# KiCad board pi60_RGB_v2.0_usb.kicad_pcb
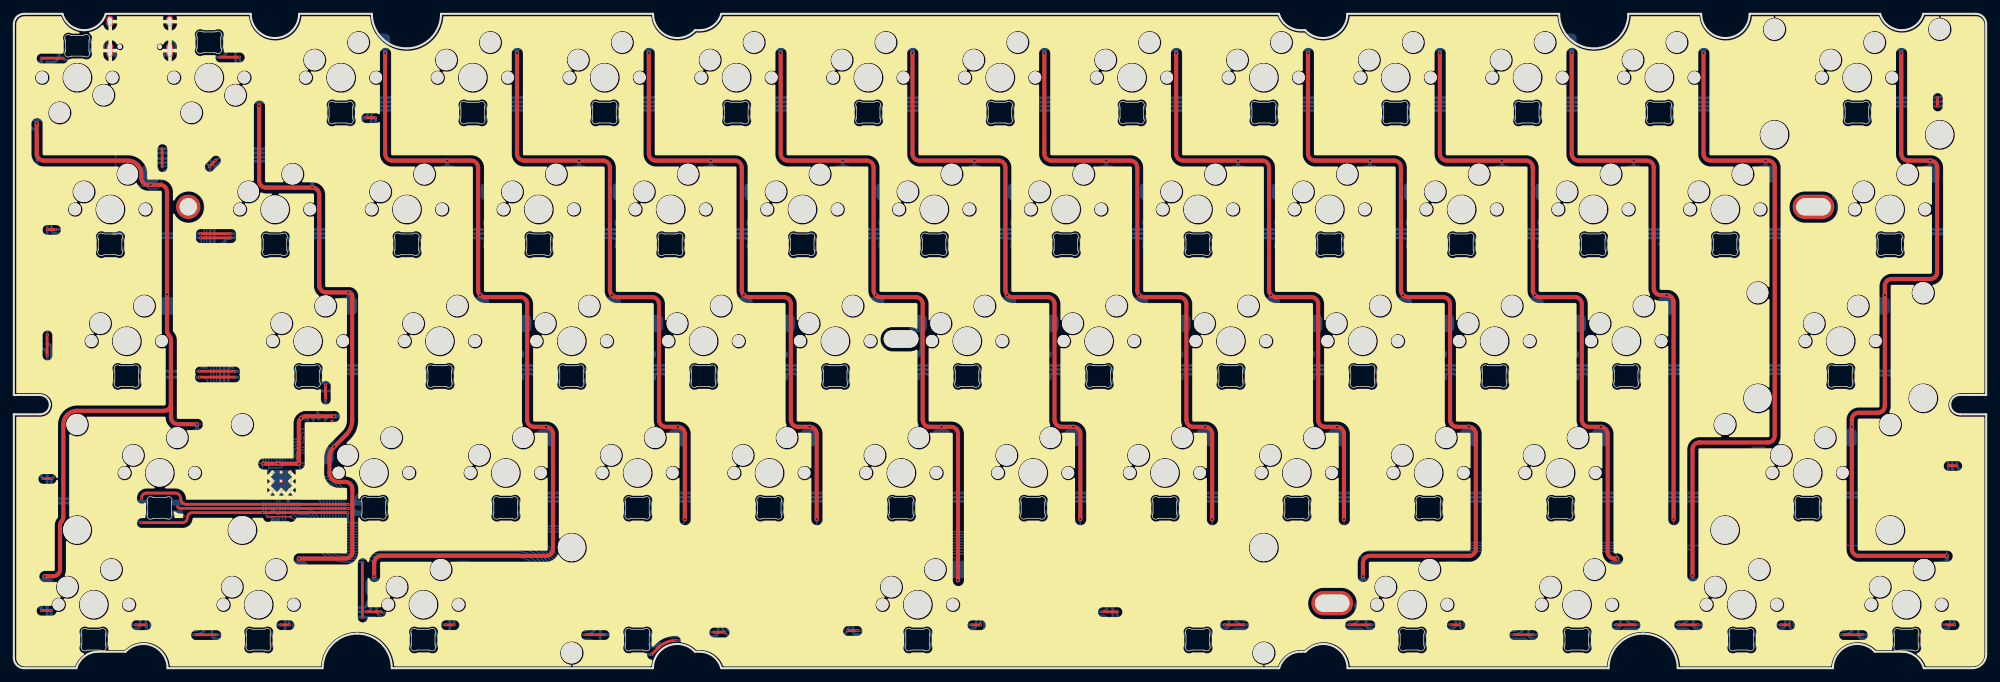
[diagram p0: board, top side]
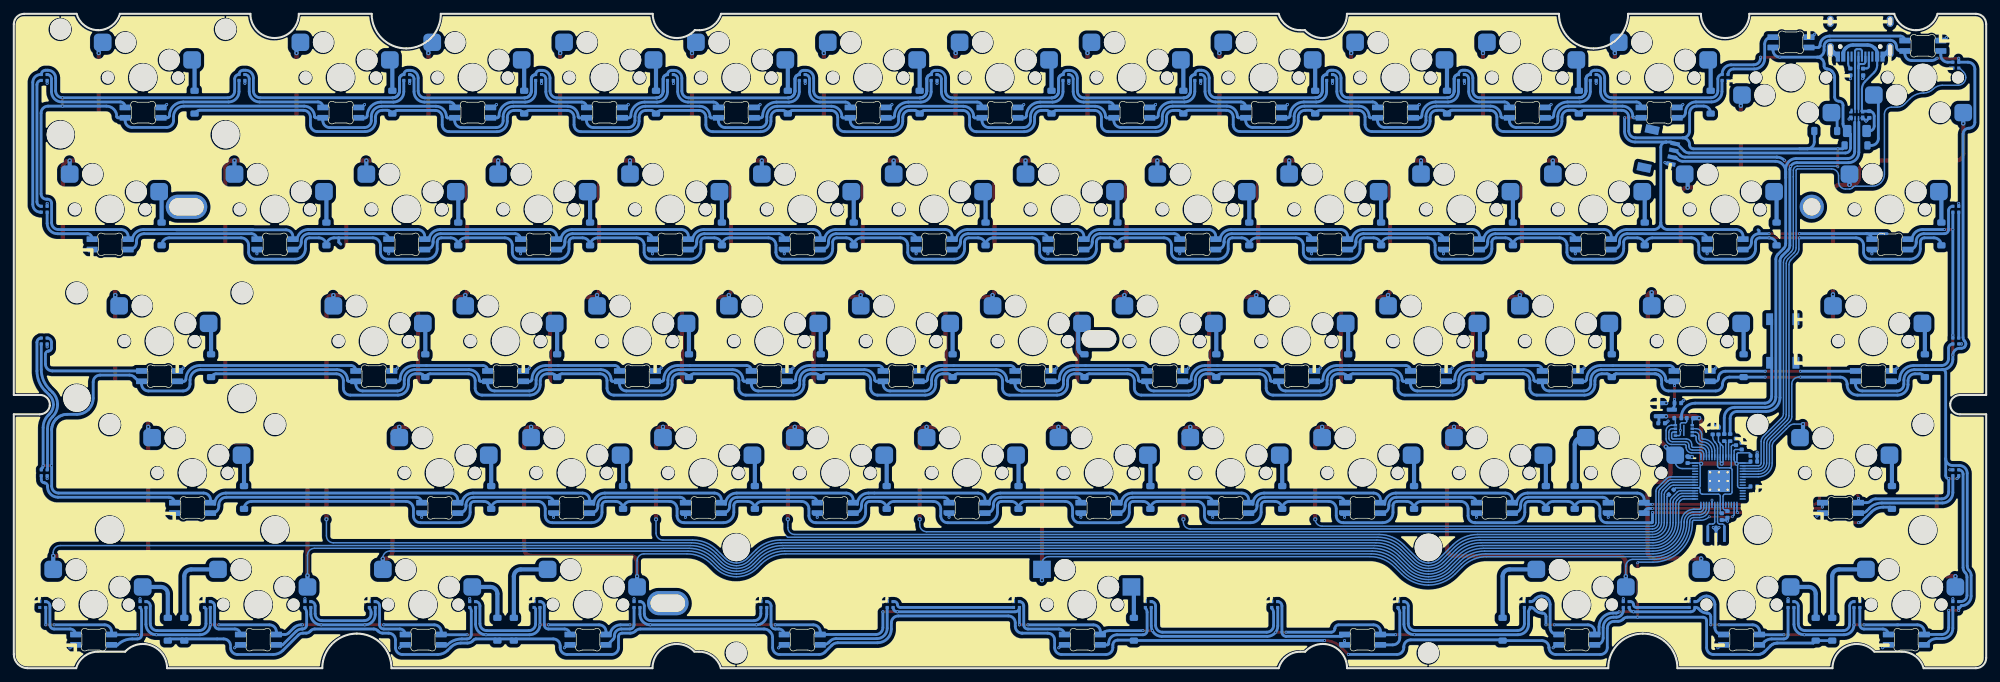
[diagram p1: board, bottom side, seen from below]

Outline 285 x 94.6 mm; copper layers: Top, Bottom. Coordinates in mm from the lower left corner of the outline.
Stack: Top 0.035mm / dielectric 1.51mm FR4 er 4.5 / Bottom 0.035mm

## Placement (name value [footprint] x y rotation side)
C1  100n  [cap_0402_production]  39.52 34.27 90 bottom
C2  100n  [cap_0402_production]  37.39 22.22 270 bottom
C3  100n  [cap_0402_production]  38.69 34.27 90 bottom
C4  100n  [cap_0402_production]  43.14 30.13 90 bottom
C5  100n  [cap_0402_production]  33.58 26.27 180 bottom
C6  100n  [cap_0402_production]  45.51 25.45 315 bottom
C7  100n  [cap_0402_production]  38.21 21.9 270 bottom
C8  100n  [cap_0402_production]  33.58 30.71 180 bottom
C9  100n  [cap_0402_production]  33.58 29.87 180 bottom
C10  1u  [cap_0402_production]  36.16 32.71 90 bottom
C11  1u  [cap_0402_production]  35.33 32.09 90 bottom
C12  100n  [cap_0402_production]  42.8 36.14 0 bottom
C13  10u  [cap_0402_production]  44.56 38.32 180 bottom
C14  10u  [cap_0402_production]  46.91 35.41 180 bottom
C15  1u  [cap_0402_production]  16.89 80.04 270 bottom
D1  D  [diode_SOD-123_production]  18.8 75.58 180 bottom
D2  D  [diode_SOD-123_production]  23.19 77.66 180 bottom
D3  D  [diode_SOD-123_production]  39.81 81.83 90 bottom
D4  D  [diode_SOD-123_production]  58.86 81.83 90 bottom
D5  D  [diode_SOD-123_production]  77.91 81.83 90 bottom
D6  D  [diode_SOD-123_production]  96.96 81.83 90 bottom
D7  D  [diode_SOD-123_production]  116.01 81.83 90 bottom
D8  D  [diode_SOD-123_production]  135.06 81.83 90 bottom
D9  D  [diode_SOD-123_production]  154.11 81.83 90 bottom
D10  D  [diode_SOD-123_production]  173.16 81.83 90 bottom
D11  D  [diode_SOD-123_production]  192.21 81.83 90 bottom
D12  D  [diode_SOD-123_production]  211.26 81.83 90 bottom
D13  D  [diode_SOD-123_production]  230.31 81.83 90 bottom
D14  D  [diode_SOD-123_production]  258.88 81.83 90 bottom
D15  D  [diode_SOD-123_production]  6.47 62.78 90 bottom
D16  D  [diode_SOD-123_production]  30.28 62.78 90 bottom
D17  D  [diode_SOD-123_production]  49.33 62.78 90 bottom
D18  D  [diode_SOD-123_production]  68.38 62.78 90 bottom
D19  D  [diode_SOD-123_production]  87.43 62.78 90 bottom
D20  D  [diode_SOD-123_production]  106.48 62.78 90 bottom
D21  D  [diode_SOD-123_production]  125.53 62.78 90 bottom
D22  D  [diode_SOD-123_production]  144.58 62.78 90 bottom
D23  D  [diode_SOD-123_production]  163.63 62.78 90 bottom
D24  D  [diode_SOD-123_production]  182.68 62.78 90 bottom
D25  D  [diode_SOD-123_production]  201.73 62.78 90 bottom
D26  D  [diode_SOD-123_production]  220.78 62.78 90 bottom
D27  D  [diode_SOD-123_production]  239.83 62.78 90 bottom
D28  D  [diode_SOD-123_production]  263.65 62.78 90 bottom
D29  D  [diode_SOD-123_production]  8.85 43.73 90 bottom
D30  D  [diode_SOD-123_production]  35.05 43.73 90 bottom
D31  D  [diode_SOD-123_production]  54.1 43.73 90 bottom
D32  D  [diode_SOD-123_production]  73.15 43.73 90 bottom
D33  D  [diode_SOD-123_production]  92.2 43.73 90 bottom
D34  D  [diode_SOD-123_production]  111.25 43.73 90 bottom
D35  D  [diode_SOD-123_production]  130.3 43.73 90 bottom
D36  D  [diode_SOD-123_production]  149.35 43.73 90 bottom
D37  D  [diode_SOD-123_production]  168.4 43.73 90 bottom
D38  D  [diode_SOD-123_production]  187.45 43.73 90 bottom
D39  D  [diode_SOD-123_production]  206.5 43.73 90 bottom
D40  D  [diode_SOD-123_production]  225.55 43.73 90 bottom
D41  D  [diode_SOD-123_production]  256.5 43.73 90 bottom
D42  D  [diode_SOD-123_production]  13.61 24.68 90 bottom
D43  D  [diode_SOD-123_production]  59.45 24.68 90 bottom
D44  D  [diode_SOD-123_production]  63.62 24.68 90 bottom
D45  D  [diode_SOD-123_production]  82.67 24.68 90 bottom
D46  D  [diode_SOD-123_production]  101.72 24.68 90 bottom
D47  D  [diode_SOD-123_production]  120.77 24.68 90 bottom
D48  D  [diode_SOD-123_production]  139.82 24.68 90 bottom
D49  D  [diode_SOD-123_production]  158.87 24.68 90 bottom
D50  D  [diode_SOD-123_production]  177.92 24.68 90 bottom
D51  D  [diode_SOD-123_production]  196.97 24.68 90 bottom
D52  D  [diode_SOD-123_production]  216.02 24.68 90 bottom
D53  D  [diode_SOD-123_production]  251.74 24.68 90 bottom
D54  D  [diode_SOD-123_production]  22.25 5.63 90 bottom
D55  D  [diode_SOD-123_production]  24.63 5.63 90 bottom
D56  D  [diode_SOD-123_production]  69.87 5.63 90 bottom
D57  D  [diode_SOD-123_production]  123.15 5.63 90 bottom
D58  D  [diode_SOD-123_production]  212.75 5.63 90 bottom
D59  D  [diode_SOD-123_production]  215.13 5.63 90 bottom
D60  D  [diode_SOD-123_production]  260.37 5.63 90 bottom
D61  D  [diode_SOD-123_production]  262.75 5.63 90 bottom
D62  SK6812MINI-E  [SK6812MINI-E LR_production]  9.15 84.9 180 top
D63  SK6812MINI-E  [SK6812MINI-E LR_production]  28.2 85.4 180 top
D64  SK6812MINI-E  [SK6812MINI-E RL_production]  47.25 85.4 0 top
D65  SK6812MINI-E  [SK6812MINI-E RL_production]  66.3 85.4 0 top
D66  SK6812MINI-E  [SK6812MINI-E RL_production]  85.35 85.4 0 top
D67  SK6812MINI-E  [SK6812MINI-E RL_production]  104.4 85.4 0 top
D68  SK6812MINI-E  [SK6812MINI-E RL_production]  123.45 85.4 0 top
D69  SK6812MINI-E  [SK6812MINI-E RL_production]  142.5 85.4 0 top
D70  SK6812MINI-E  [SK6812MINI-E RL_production]  161.55 85.4 0 top
D71  SK6812MINI-E  [SK6812MINI-E RL_production]  180.6 85.4 0 top
D72  SK6812MINI-E  [SK6812MINI-E RL_production]  199.65 85.4 0 top
D73  SK6812MINI-E  [SK6812MINI-E RL_production]  218.7 85.4 0 top
D74  SK6812MINI-E  [SK6812MINI-E RL_production]  237.75 85.4 0 top
D75  SK6812MINI-E  [SK6812MINI-E RL_production]  266.32 85.4 0 top
D76  SK6812MINI-E  [SK6812MINI-E LR_production]  13.91 66.35 0 top
D77  SK6812MINI-E  [SK6812MINI-E LR_production]  37.73 66.35 0 top
D78  SK6812MINI-E  [SK6812MINI-E LR_production]  56.77 66.35 0 top
D79  SK6812MINI-E  [SK6812MINI-E LR_production]  75.82 66.35 0 top
D80  SK6812MINI-E  [SK6812MINI-E LR_production]  94.87 66.35 0 top
D81  SK6812MINI-E  [SK6812MINI-E LR_production]  113.92 66.35 0 top
D82  SK6812MINI-E  [SK6812MINI-E LR_production]  132.97 66.35 0 top
D83  SK6812MINI-E  [SK6812MINI-E LR_production]  152.02 66.35 0 top
D84  SK6812MINI-E  [SK6812MINI-E LR_production]  171.07 66.35 0 top
D85  SK6812MINI-E  [SK6812MINI-E LR_production]  190.12 66.35 0 top
D86  SK6812MINI-E  [SK6812MINI-E LR_production]  209.17 66.35 0 top
D87  SK6812MINI-E  [SK6812MINI-E LR_production]  228.22 66.35 0 top
D88  SK6812MINI-E  [SK6812MINI-E LR_production]  247.27 66.35 0 top
D89  SK6812MINI-E  [SK6812MINI-E LR_production]  271.09 66.35 0 top
D90  SK6812MINI-E  [SK6812MINI-E RL_production]  16.29 47.3 0 top
D91  SK6812MINI-E  [SK6812MINI-E RL_production]  42.49 47.3 0 top
D92  SK6812MINI-E  [SK6812MINI-E RL_production]  61.54 47.3 0 top
D93  SK6812MINI-E  [SK6812MINI-E RL_production]  80.59 47.3 0 top
D94  SK6812MINI-E  [SK6812MINI-E RL_production]  99.64 47.3 0 top
D95  SK6812MINI-E  [SK6812MINI-E RL_production]  118.69 47.3 0 top
D96  SK6812MINI-E  [SK6812MINI-E RL_production]  137.74 47.3 0 top
D97  SK6812MINI-E  [SK6812MINI-E RL_production]  156.79 47.3 0 top
D98  SK6812MINI-E  [SK6812MINI-E RL_production]  175.84 47.3 0 top
D99  SK6812MINI-E  [SK6812MINI-E RL_production]  194.89 47.3 0 top
D100  SK6812MINI-E  [SK6812MINI-E RL_production]  213.94 47.3 0 top
D101  SK6812MINI-E  [SK6812MINI-E RL_production]  232.99 47.3 0 top
D102  SK6812MINI-E  [SK6812MINI-E RL_production]  263.94 47.3 0 top
D103  SK6812MINI-E  [SK6812MINI-E LR_production]  21.06 28.25 0 top
D104  SK6812MINI-E  [SK6812MINI-E LR_production]  52.01 28.25 0 top
D105  SK6812MINI-E  [SK6812MINI-E LR_production]  71.06 28.25 0 top
D106  SK6812MINI-E  [SK6812MINI-E LR_production]  90.11 28.25 0 top
D107  SK6812MINI-E  [SK6812MINI-E LR_production]  109.16 28.25 0 top
D108  SK6812MINI-E  [SK6812MINI-E LR_production]  128.21 28.25 0 top
D109  SK6812MINI-E  [SK6812MINI-E LR_production]  147.26 28.25 0 top
D110  SK6812MINI-E  [SK6812MINI-E LR_production]  166.31 28.25 0 top
D111  SK6812MINI-E  [SK6812MINI-E LR_production]  185.36 28.25 0 top
D112  SK6812MINI-E  [SK6812MINI-E LR_production]  204.41 28.25 0 top
D113  SK6812MINI-E  [SK6812MINI-E LR_production]  223.46 28.25 0 top
D114  SK6812MINI-E  [SK6812MINI-E LR_production]  259.18 28.25 0 top
D115  1010  [WS2812b_1010]  102.81 9.2 90 top
D116  SK6812MINI-E  [SK6812MINI-E LR_production]  130.59 9.2 0 top
D117  1010  [WS2812b_1010]  158.37 9.2 90 top
D118  SK6812MINI-E  [SK6812MINI-E LR_production]  171.07 9.2 0 top
D119  1010  [WS2812b_1010]  194.96 9.2 90 top
D120  SK6812MINI-E  [SK6812MINI-E LR_production]  11.53 9.2 0 top
D121  SK6812MINI-E  [SK6812MINI-E LR_production]  35.34 9.2 0 top
D122  SK6812MINI-E  [SK6812MINI-E LR_production]  59.16 9.2 0 top
D123  1010  [WS2812b_1010]  37.73 85.4 270 top
D125  1010  [WS2812b_1010]  56.78 85.4 270 top
D126  1010  [WS2812b_1010]  75.83 85.4 270 top
D127  1010  [WS2812b_1010]  94.88 85.4 270 top
D128  1010  [WS2812b_1010]  113.93 85.4 270 top
D129  1010  [WS2812b_1010]  132.98 85.4 270 top
D130  1010  [WS2812b_1010]  152.02 85.4 270 top
D131  1010  [WS2812b_1010]  171.07 85.4 270 top
D132  1010  [WS2812b_1010]  190.12 85.4 270 top
D133  1010  [WS2812b_1010]  209.17 85.4 270 top
D134  1010  [WS2812b_1010]  228.22 85.4 270 top
D135  1010  [WS2812b_1010]  252.04 85.4 270 top
D136  1010  [WS2812b_1010]  280.61 85.4 270 top
D137  1010  [WS2812b_1010]  280.61 66.35 180 top
D138  1010  [WS2812b_1010]  280.61 47.3 270 top
D139  1010  [WS2812b_1010]  280.61 28.25 270 top
D140  1010  [WS2812b_1010]  4.39 87.19 0 top
D141  1010  [WS2812b_1010]  4.39 66.35 180 top
D142  1010  [WS2812b_1010]  4.39 47.3 270 top
D143  1010  [WS2812b_1010]  4.39 28.25 90 top
D144  1010  [WS2812b_1010]  4.39 9.2 90 top
D145  1010  [WS2812b_1010]  18.68 9.2 180 top
D146  1010  [WS2812b_1010]  42.49 9.2 90 top
D147  1010  [WS2812b_1010]  66.3 9.2 90 top
D148  SK6812MINI-E  [SK6812MINI-E LR_production]  90.11 9.2 0 top
D149  SK6812MINI-E  [SK6812MINI-E LR_production]  202.03 9.2 0 top
D150  1010  [WS2812b_1010]  209.4 9.2 90 top
D151  SK6812MINI-E  [SK6812MINI-E LR_production]  225.84 9.2 0 top
D152  1010  [WS2812b_1010]  242.51 9.2 90 top
D153  SK6812MINI-E  [SK6812MINI-E LR_production]  249.65 9.2 0 top
D154  1010  [WS2812b_1010]  266.32 9.2 90 top
D155  SK6812MINI-E  [SK6812MINI-E LR_production]  273.47 9.2 0 top
D156  1010  [WS2812b_1010]  280.84 9.2 90 top
D157  1010  [WS2812b_1010]  28.2 9.2 90 top
D158  1010  [WS2812b_1010]  52.01 9.2 90 top
D159  1010  [WS2812b_1010]  84.56 9.2 90 top
D160  1010  [WS2812b_1010]  121.07 9.2 90 top
D161  1010  [WS2812b_1010]  140.12 9.2 90 top
D162  1010  [WS2812b_1010]  176.63 9.2 90 top
D163  1010  [WS2812b_1010]  218.7 9.2 90 top
D164  1010  [WS2812b_1010]  233.21 9.2 90 top
D165  1010  [WS2812b_1010]  257.04 9.2 90 top
F1  Polyfuse_Small  [fuse_production]  18.68 77.66 180 bottom
G***  LOGO  [1up pi60RGB Logo 12mm 01]  130.59 12.48 0 top
J1  Board Outline  [60_Outline-Modded 03]  142.5 47.3 0 top
J2  Unified_Daughterboard  [qwiic_stemmaqt_conn_production]  45.25 74.36 282 bottom
K1  Esc  [MXOnly-1U-Hotswap_no_silk_screen]  9.15 85.4 180 top
K2  1  [MXOnly-1U-Hotswap_no_silk_screen]  28.2 85.4 180 top
K3  2  [MXOnly-1U-Hotswap_no_silk_screen]  47.25 85.4 0 top
K4  3  [MXOnly-1U-Hotswap_no_silk_screen]  66.3 85.4 0 top
K5  4  [MXOnly-1U-Hotswap_no_silk_screen]  85.35 85.4 0 top
K6  5  [MXOnly-1U-Hotswap_no_silk_screen]  104.4 85.4 0 top
K7  6  [MXOnly-1U-Hotswap_no_silk_screen]  123.45 85.4 0 top
K8  7  [MXOnly-1U-Hotswap_no_silk_screen]  142.5 85.4 0 top
K9  8  [MXOnly-1U-Hotswap_no_silk_screen]  161.55 85.4 0 top
K10  9  [MXOnly-1U-Hotswap_no_silk_screen]  180.6 85.4 0 top
K11  0  [MXOnly-1U-Hotswap_no_silk_screen]  199.65 85.4 0 top
K12  -  [MXOnly-1U-Hotswap_no_silk_screen]  218.7 85.4 0 top
K13  =  [MXOnly-1U-Hotswap_no_silk_screen]  237.75 85.4 0 top
K14  Backspace 2u  [MXOnly-2U-Hotswap_production]  266.32 85.4 0 top
K15  Tab 1.5u  [MXOnly-1.5U-Hotswap_production]  13.91 66.35 0 top
K16  Q  [MXOnly-1U-Hotswap_no_silk_screen]  37.73 66.35 0 top
K17  W  [MXOnly-1U-Hotswap_no_silk_screen]  56.77 66.35 0 top
K18  E  [MXOnly-1U-Hotswap_no_silk_screen]  75.82 66.35 0 top
K19  R  [MXOnly-1U-Hotswap_no_silk_screen]  94.87 66.35 0 top
K20  T  [MXOnly-1U-Hotswap_no_silk_screen]  113.92 66.35 0 top
K21  Y  [MXOnly-1U-Hotswap_no_silk_screen]  132.97 66.35 0 top
K22  U  [MXOnly-1U-Hotswap_no_silk_screen]  152.02 66.35 0 top
K23  I  [MXOnly-1U-Hotswap_no_silk_screen]  171.07 66.35 0 top
K24  O  [MXOnly-1U-Hotswap_no_silk_screen]  190.12 66.35 0 top
K25  P  [MXOnly-1U-Hotswap_no_silk_screen]  209.17 66.35 0 top
K26  [  [MXOnly-1U-Hotswap_no_silk_screen]  228.22 66.35 0 top
K27  ]  [MXOnly-1U-Hotswap_no_silk_screen]  247.27 66.35 0 top
K28  \ 1.5u  [MXOnly-1.5U-Hotswap_production]  271.09 66.35 0 top
K29  Caps 1.75u  [MXOnly-1.75U-Hotswap_production]  16.29 47.3 0 top
K30  A  [MXOnly-1U-Hotswap_no_silk_screen]  42.49 47.3 0 top
K31  S  [MXOnly-1U-Hotswap_no_silk_screen]  61.54 47.3 0 top
K32  D  [MXOnly-1U-Hotswap_no_silk_screen]  80.59 47.3 0 top
K33  F  [MXOnly-1U-Hotswap_no_silk_screen]  99.64 47.3 0 top
K34  G  [MXOnly-1U-Hotswap_no_silk_screen]  118.69 47.3 0 top
K35  H  [MXOnly-1U-Hotswap_no_silk_screen]  137.74 47.3 0 top
K36  J  [MXOnly-1U-Hotswap_no_silk_screen]  156.79 47.3 0 top
K37  K  [MXOnly-1U-Hotswap_no_silk_screen]  175.84 47.3 0 top
K38  L  [MXOnly-1U-Hotswap_no_silk_screen]  194.89 47.3 0 top
K39  ;  [MXOnly-1U-Hotswap_no_silk_screen]  213.94 47.3 0 top
K40  '  [MXOnly-1U-Hotswap_no_silk_screen]  232.99 47.3 0 top
K41  Enter 2.25u  [MXOnly-2.25U-Hotswap_production]  263.94 47.3 0 top
K42  Shift 2.25u  [MXOnly-2.25U-Hotswap_production]  21.06 28.25 0 top
K43  Z  [MXOnly-1U-Hotswap_no_silk_screen]  52.01 28.25 0 top
K44  X  [MXOnly-1U-Hotswap_no_silk_screen]  71.06 28.25 0 top
K45  C  [MXOnly-1U-Hotswap_no_silk_screen]  90.11 28.25 0 top
K46  V  [MXOnly-1U-Hotswap_no_silk_screen]  109.16 28.25 0 top
K47  B  [MXOnly-1U-Hotswap_no_silk_screen]  128.21 28.25 0 top
K48  N  [MXOnly-1U-Hotswap_no_silk_screen]  147.26 28.25 0 top
K49  M  [MXOnly-1U-Hotswap_no_silk_screen]  166.31 28.25 0 top
K50  ,  [MXOnly-1U-Hotswap_no_silk_screen]  185.36 28.25 0 top
K51  .  [MXOnly-1U-Hotswap_no_silk_screen]  204.41 28.25 0 top
K52  /  [MXOnly-1U-Hotswap_no_silk_screen]  223.46 28.25 0 top
K53  Shift 2.75u  [MXOnly-2.75U-Hotswap_production]  259.18 28.25 0 top
K54  LCtrl 1.25u  [MXOnly-1.25U-Hotswap_production]  11.53 9.2 0 top
K55  LWin 1.25u  [MXOnly-1.25U-Hotswap_production]  35.34 9.2 0 top
K56  LAlt 1.25u  [MXOnly-1.25U-Hotswap_production]  59.16 9.2 0 top
K57  Space 6.25u  [MXOnly-6.25U-Hotswap-ReversedStabilizers_production]  130.59 9.2 0 top
K58  RAlt 1.25u  [MXOnly-1.25U-Hotswap_production]  202.03 9.2 0 top
K59  FN 1.25u  [MXOnly-1.25U-Hotswap_production]  225.84 9.2 0 top
K60  Meta 1.25u  [MXOnly-1.25U-Hotswap_production]  249.65 9.2 0 top
K61  RCtrl 1.25u  [MXOnly-1.25U-Hotswap_production]  273.47 9.2 0 top
R1  27  [resistor_0402_production]  37.85 33.33 270 bottom
R2  27  [resistor_0402_production]  37 33.33 270 bottom
R4  1k  [resistor_0402_production]  44.56 36.15 180 bottom
R7  5.1k  [cap_0402_production]  17.78 86.2 90 bottom
R8  5.1k  [cap_0402_production]  19.63 86.2 90 bottom
SW1  SW_Push  [reset_switch_TL3342_production]  29.39 47.3 90 bottom
U2  RP2040  [rp2040_production]  38.62 27.06 180 bottom
U3  W25Q128JVS  [rp2040_flash_production]  43.69 34.37 180 bottom
U4  ECMF02-4CMX8  [emi_production]  18.7 80.04 0 bottom
U5  XC6206PxxxMR  [voltage_regulator_production]  46.36 37.37 180 bottom
USB1  HRO-TYPE-C-31-M-12  [usb_c_production]  18.2 96.12 0 bottom
Y1  Resonator  [resonator_3_pin_production]  39.02 19.43 270 bottom

## Library data of the parts
C1-C12 C15 = -: Description: Unpolarized capacitor
C13 C14 = -: Description: Unpolarized capacitor; MPN: C77000
D1-D61 = -: Description: Diode
D62-D114 D116 D118 D120-D122 D148 D149 D151 D153 D155 = -: Field4: 1
D115 D117 D119 D123 D125-D147 D150 D152 D154 D156-D165 = -: Description: Reverse-mount RGB LED with integrated controller; MPN: C5349953; Field5: 1
F1 = -: Description: Resettable fuse, polymeric positive temperature coefficient, small symbol
J1 = -: Description: Generic connector, single row, 01x01, script generated
J2 = -: MPN: C160404
R1 R2 R4 R7 R8 = -: Description: Resistor
SW1 = -: Description: Push button switch, generic, two pins
U3 = -: Description: 128Mb Serial Flash Memory, Standard/Dual/Quad SPI, SOIC-8
U4 = -: Field4: gge211
U5 = -: Description: Positive 60-250mA Low Dropout Regulator, Fixed Output, SOT-23
Y1 = -: Description: Three pin ceramic resonator

## Footprints (pads in the part's own frame, mm; a bottom-side part is the same pattern mirrored in y, then rotated)
60_Outline-Modded 03
  round 3.5 hole 2.5: (-117.3,19.4)
  oval 5x2.5 hole 5x2.5: (-14.3,0.3)
  oval 6x3.5 hole 5x2.5: (48,-37.9) (117.55,19.4)
cap_0402_production
  rrect 0.56x0.62 smd: 1(-0.48,0) 2(0.48,0)
diode_SOD-123_production
  rrect 0.9x1.2 smd: 1(-1.65,0) 2(1.65,0)
emi_production
  custom 0.65x0.7 smd: 1(-0.75,-0.5) 4(0.75,-0.5) 5(0.75,0.5) 8(-0.75,0.5)
  rect 0.2x0.6 smd: 2(-0.25,-0.5) 3(0.25,-0.5) 6(0.25,0.5) 7(-0.25,0.5)
fuse_production
  rrect 1.25x1.75 smd: 1(-1.4,0) 2(1.4,0)
MXOnly-1.5U-Hotswap_production
  round 1.75 hole 1.75 unplated: (-5.08,0) (5.08,0)
  round 3 hole 3 unplated: (-3.81,2.54) (2.54,5.08)
  round 3.988 hole 3.988 unplated: (0,0)
  rrect 2.55x2.5 smd far side: 1(-7.085,2.54) 2(5.842,5.08)
MXOnly-1.25U-Hotswap_production
  round 1.75 hole 1.75 unplated: (-5.08,0) (5.08,0)
  round 3 hole 3 unplated: (-3.81,2.54) (2.54,5.08)
  round 3.988 hole 3.988 unplated: (0,0)
  rrect 2.55x2.5 smd far side: 1(-7.085,2.54) 2(5.842,5.08)
MXOnly-1.75U-Hotswap_production
  round 1.75 hole 1.75 unplated: (-5.08,0) (5.08,0)
  round 3 hole 3 unplated: (-3.81,2.54) (2.54,5.08)
  round 3.988 hole 3.988 unplated: (0,0)
  rrect 2.55x2.5 smd far side: 1(-7.085,2.54) 2(5.842,5.08)
MXOnly-1U-Hotswap_no_silk_screen
  round 1.75 hole 1.75 unplated: (-5.08,0) (5.08,0)
  round 3 hole 3 unplated: (-3.81,2.54) (2.54,5.08)
  round 3.988 hole 3.988 unplated: (0,0)
  rrect 2.55x2.5 smd far side: 1(-7.085,2.54) 2(5.842,5.08)
MXOnly-2.25U-Hotswap_production
  round 3.048 hole 3.048 unplated: (-11.938,6.985) (11.938,6.985)
  round 3.988 hole 3.988 unplated: (-11.938,-8.255) (0,0) (11.938,-8.255)
  round 1.75 hole 1.75 unplated: (-5.08,0) (5.08,0)
  round 3 hole 3 unplated: (-3.81,2.54) (2.54,5.08)
  rrect 2.55x2.5 smd far side: 1(-7.085,2.54) 2(5.842,5.08)
MXOnly-2.75U-Hotswap_production
  round 3.048 hole 3.048 unplated: (-11.938,6.985) (11.938,6.985)
  round 3.988 hole 3.988 unplated: (-11.938,-8.255) (0,0) (11.938,-8.255)
  round 1.75 hole 1.75 unplated: (-5.08,0) (5.08,0)
  round 3 hole 3 unplated: (-3.81,2.54) (2.54,5.08)
  rrect 2.55x2.5 smd far side: 1(-7.085,2.54) 2(5.842,5.08)
MXOnly-2U-Hotswap_production
  round 3.048 hole 3.048 unplated: (-11.938,6.985) (11.938,6.985)
  round 3.988 hole 3.988 unplated: (-11.938,-8.255) (0,0) (11.938,-8.255)
  round 1.75 hole 1.75 unplated: (-5.08,0) (5.08,0)
  round 3 hole 3 unplated: (-3.81,2.54) (2.54,5.08)
  rrect 2.55x2.5 smd far side: 1(-7.085,2.54) 2(5.842,5.08)
MXOnly-6.25U-Hotswap-ReversedStabilizers_production
  round 3.988 hole 3.988 unplated: (-50,8.255) (0,0) (50,8.255)
  round 3.048 hole 3.048 unplated: (-50,-6.985) (50,-6.985)
  round 1.75 hole 1.75 unplated: (-5.08,0) (5.08,0)
  round 3 hole 3 unplated: (-3.81,2.54) (2.54,5.08)
  rect 2.55x2.5 smd far side: 1(-7.085,2.54) 2(5.842,5.08)
qwiic_stemmaqt_conn_production
  rect 0.599x1.349 smd: 1(-1.499,0) 2(-0.498,0) 3(0.498,0) 4(1.499,0)
  rect 1.199x1.999 smd: NC1(2.799,-3.673) NC2(-2.799,-3.673)
reset_switch_TL3342_production
  rect 1.7x1 smd: 1(-3.15,1.9) 1(3.15,1.9) 2(-3.15,-1.9) 2(3.15,-1.9)
resistor_0402_production
  rrect 0.54x0.64 smd: 1(-0.51,0) 2(0.51,0)
resonator_3_pin_production
  rect 2.362x0.406 smd: 1(0,1.2) 2(0,0) 3(0,-1.2)
rp2040_flash_production
  rect 0.49x0.35 smd: 1(-1.22,0.75) 2(-1.22,0.25) 3(-1.22,-0.25) 4(-1.22,-0.75) 5(1.22,-0.75) 6(1.22,-0.25) 7(1.22,0.25) 8(1.22,0.75)
  rect 0.2x1.6 smd: 9(0,0)
rp2040_production
  rrect 1.084x1.084 smd: (-0.637,-0.637) (-0.637,0.637) (0.637,-0.637) (0.637,0.637)
  rrect 0.875x0.2 smd: 1(-3.438,2.6) 2(-3.438,2.2) 3(-3.438,1.8) 4(-3.438,1.4) 5(-3.438,1) 6(-3.438,0.6) 7(-3.438,0.2) 8(-3.438,-0.2) 9(-3.438,-0.6) 10(-3.438,-1) 11(-3.438,-1.4) 12(-3.438,-1.8) 13(-3.438,-2.2) 14(-3.438,-2.6) 29(3.438,-2.6) 30(3.438,-2.2) 31(3.438,-1.8) 32(3.438,-1.4) 33(3.438,-1) 34(3.438,-0.6) 35(3.438,-0.2) 36(3.438,0.2) 37(3.438,0.6) 38(3.438,1) 39(3.438,1.4) 40(3.438,1.8) 41(3.438,2.2) 42(3.438,2.6)
  rrect 0.2x0.875 smd: 15(-2.6,-3.438) 16(-2.2,-3.438) 17(-1.8,-3.438) 18(-1.4,-3.438) 19(-1,-3.438) 20(-0.6,-3.438) 21(-0.2,-3.438) 22(0.2,-3.438) 23(0.6,-3.438) 24(1,-3.438) 25(1.4,-3.438) 26(1.8,-3.438) 27(2.2,-3.438) 28(2.6,-3.438) 43(2.6,3.438) 44(2.2,3.438) 45(1.8,3.438) 46(1.4,3.438) 47(1,3.438) 48(0.6,3.438) 49(0.2,3.438) 50(-0.2,3.438) 51(-0.6,3.438) 52(-1,3.438) 53(-1.4,3.438) 54(-1.8,3.438) 55(-2.2,3.438) 56(-2.6,3.438)
  round 0.6 hole 0.35: 57(-1.275,-1.275) 57(-1.275,0) 57(-1.275,1.275) 57(0,-1.275) 57(0,0) 57(0,1.275) 57(1.275,-1.275) 57(1.275,0) 57(1.275,1.275)
  rrect 3.2x3.2 smd: 57(0,0)
SK6812MINI-E LR_production
  rrect 1.6x0.82 smd far side: 1(-2.6,-4.33) 2(-2.6,-5.83) 3(2.6,-5.83) 4(2.6,-4.33)
SK6812MINI-E RL_production
  rrect 1.6x0.82 smd far side: 1(2.6,-5.83) 2(2.6,-4.33) 3(-2.6,-4.33) 4(-2.6,-5.83)
usb_c_production
  round 0.65 hole 0.65 unplated: (-2.89,6.25) (2.89,6.25)
  rect 0.6x1.45 smd: 1(-3.225,7.695) 2(-2.45,7.695) 11(2.45,7.695) 12(3.225,7.695)
  rect 0.3x1.45 smd: 3(-1.75,7.695) 4(-1.25,7.695) 5(-0.75,7.695) 6(-0.25,7.695) 7(0.25,7.695) 8(0.75,7.695) 9(1.25,7.695) 10(1.75,7.695)
  oval 1x1.6 hole 0.6x1.2: 13(-4.32,2.6) 13(4.32,2.6)
  oval 1x2.1 hole 0.6x1.7: 13(-4.32,6.78) 13(4.32,6.78)
voltage_regulator_production
  rrect 1.475x0.6 smd: 1(-0.938,0.95) 2(-0.938,-0.95) 3(0.938,0)
WS2812b_1010
  rrect 0.45x0.45 smd far side: 1(-0.425,0.425) 2(0.425,0.425) 3(0.425,-0.425) 4(-0.425,-0.425)
